# KiCad board MQ Breakout.kicad_pcb (continued)
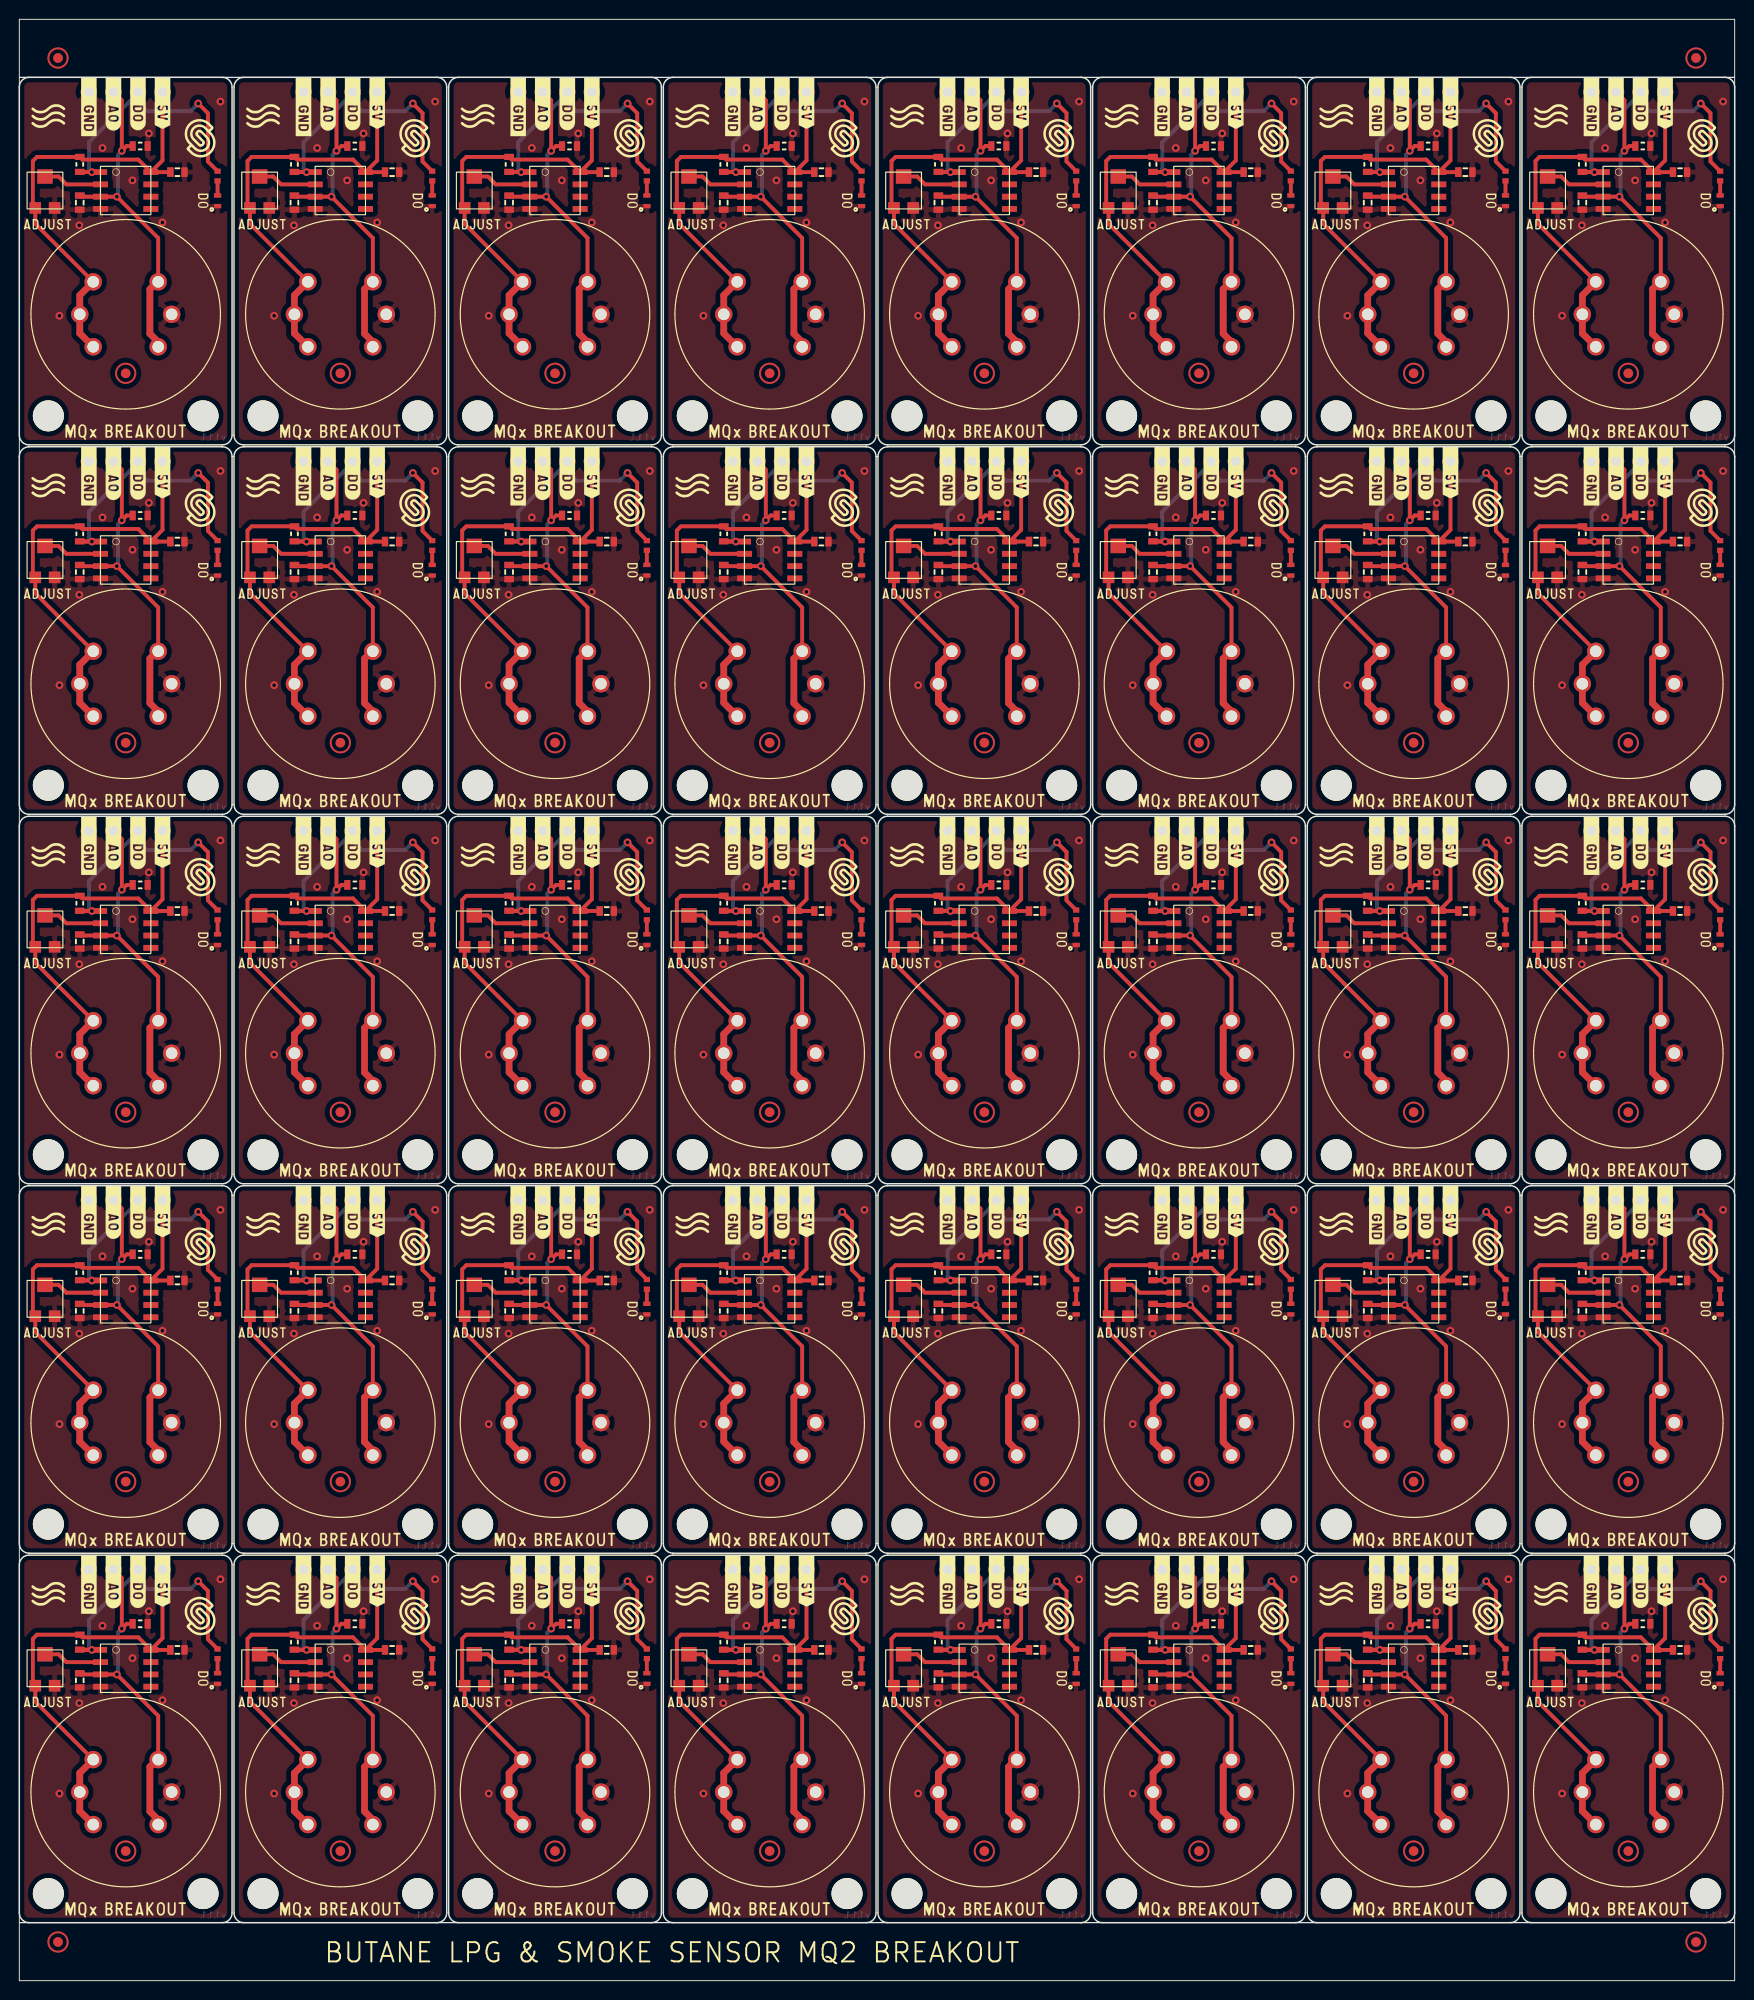
[diagram p0: board, top side]
## Placement (name value [footprint] x y rotation side) (continued)
K1#9  -  [HEADER_MALE_4X1]  122 42.5 0 bottom
K1#10  -  [HEADER_MALE_4X1]  33.2 157.1 0 bottom
K1#11  -  [HEADER_MALE_4X1]  99.8 157.1 0 bottom
K1#12  -  [HEADER_MALE_4X1]  11 195.3 0 bottom
K1#13  -  [HEADER_MALE_4X1]  122 195.3 0 bottom
K1#14  -  [HEADER_MALE_4X1]  77.6 157.1 0 bottom
K1#15  -  [HEADER_MALE_4X1]  77.6 80.7 0 bottom
K1#16  -  [HEADER_MALE_4X1]  55.4 118.9 0 bottom
K1#17  -  [HEADER_MALE_4X1]  33.2 42.5 0 bottom
K1#18  -  [HEADER_MALE_4X1]  77.6 195.3 0 bottom
K1#19  -  [HEADER_MALE_4X1]  122 157.1 0 bottom
K1#20  -  [HEADER_MALE_4X1]  144.2 80.7 0 bottom
K1#21  -  [HEADER_MALE_4X1]  55.4 42.5 0 bottom
K1#22  -  [HEADER_MALE_4X1]  11 118.9 0 bottom
K1#23  -  [HEADER_MALE_4X1]  55.4 80.7 0 bottom
K1#24  -  [HEADER_MALE_4X1]  11 80.7 0 bottom
K1#25  -  [HEADER_MALE_4X1]  122 80.7 0 bottom
K1#26  -  [HEADER_MALE_4X1]  166.4 195.3 0 bottom
K1#27  -  [HEADER_MALE_4X1]  166.4 118.9 0 bottom
K1#28  -  [HEADER_MALE_4X1]  99.8 195.3 0 bottom
K1#29  -  [HEADER_MALE_4X1]  144.2 157.1 0 bottom
K1#30  -  [HEADER_MALE_4X1]  166.4 42.5 0 bottom
K1#31  -  [HEADER_MALE_4X1]  33.2 118.9 0 bottom
K1#32  -  [HEADER_MALE_4X1]  144.2 195.3 0 bottom
K1#33  -  [HEADER_MALE_4X1]  11 42.5 0 bottom
K1#34  -  [HEADER_MALE_4X1]  166.4 157.1 0 bottom
K1#35  -  [HEADER_MALE_4X1]  99.8 118.9 0 bottom
K1#36  -  [HEADER_MALE_4X1]  33.2 80.7 0 bottom
K1#37  -  [HEADER_MALE_4X1]  77.6 118.9 0 bottom
K1#38  -  [HEADER_MALE_4X1]  122 118.9 0 bottom
K1#39  -  [HEADER_MALE_4X1]  99.8 42.5 0 bottom
K1#40  -  [HEADER_MALE_4X1]  77.6 42.5 0 bottom
NOREF  -  [buzzardLabel]  69.5 181.6 0 top
NOREF#2  -  [buzzardLabel]  77.6 7.4 0 top
NOREF#3  -  [buzzardLabel]  174.4 107.64 270 top
NOREF#4  -  [buzzardLabel]  76.33 197.2 270 top
NOREF#5  -  [buzzardLabel]  54.13 197.2 270 top
NOREF#6  -  [buzzardLabel]  148.01 44.4 270 top
NOREF#7  -  [buzzardLabel]  9.73 44.4 270 top
NOREF#8  -  [buzzardLabel]  122 122 0 top
NOREF#9  -  [buzzardLabel]  19 69.44 270 top
NOREF#10  -  [buzzardLabel]  120.73 159 270 top
NOREF#11  -  [buzzardLabel]  81.41 159 270 top
NOREF#12  -  [buzzardLabel]  103.61 197.2 270 top
NOREF#13  -  [buzzardLabel]  165.13 120.8 270 top
NOREF#14  -  [buzzardLabel]  19 145.84 270 top
NOREF#15  -  [buzzardLabel]  148.01 197.2 270 top
NOREF#16  -  [buzzardLabel]  118.19 82.6 270 top
NOREF#17  -  [buzzardLabel]  69.5 67 0 top
NOREF#18  -  [buzzardLabel]  174.4 31.24 270 top
NOREF#19  -  [buzzardLabel]  162.59 120.8 270 top
NOREF#20  -  [buzzardLabel]  56.67 44.4 270 top
NOREF#21  -  [buzzardLabel]  51.59 82.6 270 top
NOREF#22  -  [buzzardLabel]  152.2 31.24 270 top
NOREF#23  -  [buzzardLabel]  59.21 197.2 270 top
NOREF#24  -  [buzzardLabel]  162.59 82.6 270 top
NOREF#25  -  [buzzardLabel]  165.13 82.6 270 top
NOREF#26  -  [buzzardLabel]  166.4 122 0 top
NOREF#27  -  [buzzardLabel]  56.67 197.2 270 top
NOREF#28  -  [buzzardLabel]  158.3 105.2 0 top
NOREF#29  -  [buzzardLabel]  144.2 83.8 0 top
NOREF#30  -  [buzzardLabel]  120.73 120.8 270 top
NOREF#31  -  [buzzardLabel]  98.53 197.2 270 top
NOREF#32  -  [buzzardLabel]  73.79 44.4 270 top
NOREF#33  -  [buzzardLabel]  170.21 44.4 270 top
NOREF#34  -  [buzzardLabel]  11 7.4 0 top
NOREF#35  -  [buzzardLabel]  107.8 69.44 270 top
NOREF#36  -  [buzzardLabel]  56.67 82.6 270 top
NOREF#37  -  [buzzardLabel]  41.2 145.84 270 top
NOREF#38  -  [buzzardLabel]  98.53 44.4 270 top
NOREF#39  -  [buzzardLabel]  33.2 83.8 0 top
NOREF#40  -  [buzzardLabel]  158.3 67 0 top
NOREF#41  -  [buzzardLabel]  148.01 120.8 270 top
NOREF#42  -  [buzzardLabel]  101.07 82.6 270 top
NOREF#43  -  [buzzardLabel]  166.4 160.2 0 top
NOREF#44  -  [buzzardLabel]  170.21 82.6 270 top
NOREF#45  -  [buzzardLabel]  77.6 160.2 0 top
NOREF#46  -  [buzzardLabel]  152.2 184.04 270 top
NOREF#47  -  [buzzardLabel]  113.9 143.4 0 top
NOREF#48  -  [buzzardLabel]  34.47 44.4 270 top
NOREF#49  -  [buzzardLabel]  145.47 44.4 270 top
NOREF#50  -  [buzzardLabel]  14.81 44.4 270 top
NOREF#51  -  [buzzardLabel]  162.59 159 270 top
NOREF#52  -  [buzzardLabel]  51.59 120.8 270 top
NOREF#53  -  [buzzardLabel]  125.81 197.2 270 top
NOREF#54  -  [buzzardLabel]  59.21 120.8 270 top
NOREF#55  -  [buzzardLabel]  170.21 197.2 270 top
NOREF#56  -  [buzzardLabel]  25.1 143.4 0 top
NOREF#57  -  [buzzardLabel]  19 31.24 270 top
NOREF#58  -  [buzzardLabel]  130 31.24 270 top
NOREF#59  -  [buzzardLabel]  140.39 44.4 270 top
NOREF#60  -  [buzzardLabel]  95.99 159 270 top
NOREF#61  -  [buzzardLabel]  91.7 67 0 top
NOREF#62  -  [buzzardLabel]  12.27 82.6 270 top
NOREF#63  -  [buzzardLabel]  51.59 197.2 270 top
NOREF#64  -  [buzzardLabel]  33.2 7.4 0 top
NOREF#65  -  [buzzardLabel]  9.73 82.6 270 top
NOREF#66  -  [buzzardLabel]  73.79 82.6 270 top
NOREF#67  -  [buzzardLabel]  54.13 82.6 270 top
NOREF#68  -  [buzzardLabel]  165.13 197.2 270 top
NOREF#69  -  [buzzardLabel]  142.93 120.8 270 top
NOREF#70  -  [buzzardLabel]  63.4 31.24 270 top
NOREF#71  -  [buzzardLabel]  9.73 159 270 top
NOREF#72  -  [buzzardLabel]  9.73 120.8 270 top
NOREF#73  -  [buzzardLabel]  152.2 145.84 270 top
NOREF#74  -  [buzzardLabel]  55.4 7.4 0 top
NOREF#75  -  [buzzardLabel]  73.79 120.8 270 top
NOREF#76  -  [buzzardLabel]  12.27 44.4 270 top
NOREF#77  -  [buzzardLabel]  167.67 120.8 270 top
NOREF#78  -  [buzzardLabel]  19 107.64 270 top
NOREF#79  -  [buzzardLabel]  34.47 82.6 270 top
NOREF#80  -  [buzzardLabel]  122 83.8 0 top
NOREF#81  -  [buzzardLabel]  118.19 44.4 270 top
NOREF#82  -  [buzzardLabel]  63.4 107.64 270 top
NOREF#83  -  [buzzardLabel]  113.9 28.8 0 top
NOREF#84  -  [buzzardLabel]  12.27 120.8 270 top
NOREF#85  -  [buzzardLabel]  51.59 159 270 top
NOREF#86  -  [buzzardLabel]  54.13 120.8 270 top
NOREF#87  -  [buzzardLabel]  144.2 160.2 0 top
NOREF#88  -  [buzzardLabel]  136.1 28.8 0 top
NOREF#89  -  [buzzardLabel]  95.99 120.8 270 top
NOREF#90  -  [buzzardLabel]  101.07 120.8 270 top
NOREF#91  -  [buzzardLabel]  123.27 197.2 270 top
NOREF#92  -  [buzzardLabel]  95.99 44.4 270 top
NOREF#93  -  [buzzardLabel]  37.01 197.2 270 top
NOREF#94  -  [buzzardLabel]  29.39 197.2 270 top
NOREF#95  -  [buzzardLabel]  85.6 145.84 270 top
NOREF#96  -  [buzzardLabel]  140.39 159 270 top
NOREF#97  -  [buzzardLabel]  73.79 197.2 270 top
NOREF#98  -  [buzzardLabel]  144.2 7.4 0 top
NOREF#99  -  [buzzardLabel]  55.4 160.2 0 top
NOREF#100  -  [buzzardLabel]  167.67 159 270 top
NOREF#101  -  [buzzardLabel]  148.01 82.6 270 top
NOREF#102  -  [buzzardLabel]  165.13 44.4 270 top
NOREF#103  -  [buzzardLabel]  136.1 143.4 0 top
NOREF#104  -  [buzzardLabel]  29.39 159 270 top
NOREF#105  -  [buzzardLabel]  37.01 82.6 270 top
NOREF#106  -  [buzzardLabel]  31.93 197.2 270 top
NOREF#107  -  [buzzardLabel]  152.2 69.44 270 top
NOREF#108  -  [buzzardLabel]  136.1 105.2 0 top
NOREF#109  -  [buzzardLabel]  25.1 105.2 0 top
NOREF#110  -  [buzzardLabel]  103.61 159 270 top
NOREF#111  -  [buzzardLabel]  11 122 0 top
NOREF#112  -  [buzzardLabel]  123.27 44.4 270 top
NOREF#113  -  [buzzardLabel]  73.79 159 270 top
NOREF#114  -  [buzzardLabel]  47.3 67 0 top
NOREF#115  -  [buzzardLabel]  120.73 197.2 270 top
NOREF#116  -  [buzzardLabel]  34.47 197.2 270 top
NOREF#117  -  [buzzardLabel]  113.9 181.6 0 top
NOREF#118  -  [buzzardLabel]  130 184.04 270 top
NOREF#119  -  [buzzardLabel]  54.13 159 270 top
NOREF#120  -  [buzzardLabel]  103.61 120.8 270 top
NOREF#121  -  [buzzardLabel]  174.4 145.84 270 top
NOREF#122  -  [buzzardLabel]  167.67 44.4 270 top
NOREF#123  -  [buzzardLabel]  107.8 107.64 270 top
NOREF#124  -  [buzzardLabel]  103.61 44.4 270 top
NOREF#125  -  [buzzardLabel]  85.6 184.04 270 top
NOREF#126  -  [buzzardLabel]  54.13 44.4 270 top
NOREF#127  -  [buzzardLabel]  125.81 82.6 270 top
NOREF#128  -  [buzzardLabel]  9.73 197.2 270 top
NOREF#129  -  [buzzardLabel]  7.19 82.6 270 top
NOREF#130  -  [buzzardLabel]  99.8 122 0 top
NOREF#131  -  [buzzardLabel]  125.81 120.8 270 top
NOREF#132  -  [buzzardLabel]  166.4 7.4 0 top
NOREF#133  -  [buzzardLabel]  78.87 44.4 270 top
NOREF#134  -  [buzzardLabel]  95.99 197.2 270 top
NOREF#135  -  [buzzardLabel]  120.73 82.6 270 top
NOREF#136  -  [buzzardLabel]  91.7 28.8 0 top
NOREF#137  -  [buzzardLabel]  29.39 120.8 270 top
NOREF#138  -  [buzzardLabel]  130 69.44 270 top
NOREF#139  -  [buzzardLabel]  95.99 82.6 270 top
NOREF#140  -  [buzzardLabel]  55.4 83.8 0 top
NOREF#141  -  [buzzardLabel]  162.59 197.2 270 top
NOREF#142  -  [buzzardLabel]  76.33 44.4 270 top
NOREF#143  -  [buzzardLabel]  63.4 184.04 270 top
NOREF#144  -  [buzzardLabel]  56.67 159 270 top
NOREF#145  -  [buzzardLabel]  123.27 159 270 top
NOREF#146  -  [buzzardLabel]  56.67 120.8 270 top
NOREF#147  -  [buzzardLabel]  122 7.4 0 top
NOREF#148  -  [buzzardLabel]  41.2 31.24 270 top
NOREF#149  -  [buzzardLabel]  103.61 82.6 270 top
NOREF#150  -  [buzzardLabel]  31.93 120.8 270 top
NOREF#151  -  [buzzardLabel]  123.27 120.8 270 top
NOREF#152  -  [buzzardLabel]  130 107.64 270 top
NOREF#153  -  [buzzardLabel]  140.39 82.6 270 top
NOREF#154  -  [buzzardLabel]  77.6 83.8 0 top
NOREF#155  -  [buzzardLabel]  47.3 28.8 0 top
NOREF#156  -  [buzzardLabel]  63.4 145.84 270 top
NOREF#157  -  [buzzardLabel]  12.27 159 270 top
NOREF#158  -  [buzzardLabel]  14.81 82.6 270 top
NOREF#159  -  [buzzardLabel]  77.6 122 0 top
NOREF#160  -  [buzzardLabel]  14.81 197.2 270 top
NOREF#161  -  [buzzardLabel]  76.33 82.6 270 top
NOREF#162  -  [buzzardLabel]  81.41 82.6 270 top
NOREF#163  -  [buzzardLabel]  142.93 44.4 270 top
NOREF#164  -  [buzzardLabel]  107.8 145.84 270 top
NOREF#165  -  [buzzardLabel]  122 45.6 0 top
NOREF#166  -  [buzzardLabel]  167.67 82.6 270 top
NOREF#167  -  [buzzardLabel]  136.1 181.6 0 top
NOREF#168  -  [buzzardLabel]  85.6 69.44 270 top
NOREF#169  -  [buzzardLabel]  174.4 184.04 270 top
NOREF#170  -  [buzzardLabel]  142.93 197.2 270 top
NOREF#171  -  [buzzardLabel]  99.8 45.6 0 top
NOREF#172  -  [buzzardLabel]  148.01 159 270 top
NOREF#173  -  [buzzardLabel]  2.9 67 0 top
NOREF#174  -  [buzzardLabel]  25.1 67 0 top
NOREF#175  -  [buzzardLabel]  2.9 181.6 0 top
NOREF#176  -  [buzzardLabel]  125.81 44.4 270 top
NOREF#177  -  [buzzardLabel]  107.8 184.04 270 top
NOREF#178  -  [buzzardLabel]  51.59 44.4 270 top
NOREF#179  -  [buzzardLabel]  118.19 197.2 270 top
NOREF#180  -  [buzzardLabel]  145.47 120.8 270 top
NOREF#181  -  [buzzardLabel]  31.93 159 270 top
NOREF#182  -  [buzzardLabel]  76.33 159 270 top
NOREF#183  -  [buzzardLabel]  7.19 159 270 top
NOREF#184  -  [buzzardLabel]  29.39 82.6 270 top
NOREF#185  -  [buzzardLabel]  2.9 28.8 0 top
NOREF#186  -  [buzzardLabel]  59.21 44.4 270 top
NOREF#187  -  [buzzardLabel]  14.81 159 270 top
NOREF#188  -  [buzzardLabel]  122 160.2 0 top
NOREF#189  -  [buzzardLabel]  144.2 45.6 0 top
NOREF#190  -  [buzzardLabel]  130 145.84 270 top
NOREF#191  -  [buzzardLabel]  165.13 159 270 top
NOREF#192  -  [buzzardLabel]  11 45.6 0 top
NOREF#193  -  [buzzardLabel]  29.39 44.4 270 top
NOREF#194  -  [buzzardLabel]  37.01 159 270 top
NOREF#195  -  [buzzardLabel]  170.21 159 270 top
NOREF#196  -  [buzzardLabel]  98.53 82.6 270 top
NOREF#197  -  [buzzardLabel]  33.2 160.2 0 top
NOREF#198  -  [buzzardLabel]  7.19 120.8 270 top
NOREF#199  -  [buzzardLabel]  98.53 159 270 top
NOREF#200  -  [buzzardLabel]  14.81 120.8 270 top
NOREF#201  -  [buzzardLabel]  85.6 31.24 270 top
NOREF#202  -  [buzzardLabel]  123.27 82.6 270 top
NOREF#203  -  [buzzardLabel]  101.07 44.4 270 top
NOREF#204  -  [buzzardLabel]  174.4 69.44 270 top
NOREF#205  -  [buzzardLabel]  136.1 67 0 top
NOREF#206  -  [buzzardLabel]  55.4 45.6 0 top
NOREF#207  -  [buzzardLabel]  81.41 120.8 270 top
NOREF#208  -  [buzzardLabel]  125.81 159 270 top
NOREF#209  -  [buzzardLabel]  99.8 83.8 0 top
NOREF#210  -  [buzzardLabel]  69.5 143.4 0 top
NOREF#211  -  [buzzardLabel]  69.5 28.8 0 top
NOREF#212  -  [buzzardLabel]  113.9 67 0 top
NOREF#213  -  [buzzardLabel]  101.07 197.2 270 top
NOREF#214  -  [buzzardLabel]  118.19 159 270 top
NOREF#215  -  [buzzardLabel]  77.6 45.6 0 top
NOREF#216  -  [buzzardLabel]  33.2 122 0 top
NOREF#217  -  [buzzardLabel]  118.19 120.8 270 top
NOREF#218  -  [buzzardLabel]  55.4 122 0 top
NOREF#219  -  [buzzardLabel]  81.41 197.2 270 top
NOREF#220  -  [buzzardLabel]  142.93 82.6 270 top
NOREF#221  -  [buzzardLabel]  2.9 105.2 0 top
NOREF#222  -  [buzzardLabel]  91.7 181.6 0 top
NOREF#223  -  [buzzardLabel]  7.19 197.2 270 top
NOREF#224  -  [buzzardLabel]  78.87 82.6 270 top
NOREF#225  -  [buzzardLabel]  31.93 44.4 270 top
NOREF#226  -  [buzzardLabel]  41.2 184.04 270 top
NOREF#227  -  [buzzardLabel]  107.8 31.24 270 top
NOREF#228  -  [buzzardLabel]  162.59 44.4 270 top
NOREF#229  -  [buzzardLabel]  113.9 105.2 0 top
NOREF#230  -  [buzzardLabel]  11 83.8 0 top
NOREF#231  -  [buzzardLabel]  158.3 181.6 0 top
NOREF#232  -  [buzzardLabel]  101.07 159 270 top
NOREF#233  -  [buzzardLabel]  59.21 159 270 top
NOREF#234  -  [buzzardLabel]  158.3 143.4 0 top
NOREF#235  -  [buzzardLabel]  2.9 143.4 0 top
NOREF#236  -  [buzzardLabel]  167.67 197.2 270 top
NOREF#237  -  [buzzardLabel]  78.87 159 270 top
NOREF#238  -  [buzzardLabel]  91.7 143.4 0 top
NOREF#239  -  [buzzardLabel]  25.1 181.6 0 top
NOREF#240  -  [buzzardLabel]  98.53 120.8 270 top
NOREF#241  -  [buzzardLabel]  81.41 44.4 270 top
NOREF#242  -  [buzzardLabel]  59.21 82.6 270 top
NOREF#243  -  [buzzardLabel]  140.39 197.2 270 top
NOREF#244  -  [buzzardLabel]  99.8 7.4 0 top
NOREF#245  -  [buzzardLabel]  120.73 44.4 270 top
NOREF#246  -  [buzzardLabel]  37.01 44.4 270 top
NOREF#247  -  [buzzardLabel]  47.3 143.4 0 top
NOREF#248  -  [buzzardLabel]  11 160.2 0 top
NOREF#249  -  [buzzardLabel]  34.47 159 270 top
NOREF#250  -  [buzzardLabel]  31.93 82.6 270 top
NOREF#251  -  [buzzardLabel]  47.3 105.2 0 top
NOREF#252  -  [buzzardLabel]  145.47 82.6 270 top
NOREF#253  -  [buzzardLabel]  41.2 107.64 270 top
NOREF#254  -  [buzzardLabel]  85.6 107.64 270 top
NOREF#255  -  [buzzardLabel]  33.2 45.6 0 top
NOREF#256  -  [buzzardLabel]  63.4 69.44 270 top
NOREF#257  -  [buzzardLabel]  78.87 120.8 270 top
NOREF#258  -  [buzzardLabel]  12.27 197.2 270 top
NOREF#259  -  [buzzardLabel]  37.01 120.8 270 top
NOREF#260  -  [buzzardLabel]  144.2 122 0 top
NOREF#261  -  [buzzardLabel]  170.21 120.8 270 top
NOREF#262  -  [buzzardLabel]  142.93 159 270 top
NOREF#263  -  [buzzardLabel]  145.47 159 270 top
NOREF#264  -  [buzzardLabel]  166.4 83.8 0 top
NOREF#265  -  [buzzardLabel]  41.2 69.44 270 top
NOREF#266  -  [buzzardLabel]  34.47 120.8 270 top
NOREF#267  -  [buzzardLabel]  76.33 120.8 270 top
NOREF#268  -  [buzzardLabel]  99.8 160.2 0 top
NOREF#269  -  [buzzardLabel]  158.3 28.8 0 top
NOREF#270  -  [buzzardLabel]  145.47 197.2 270 top
NOREF#271  -  [buzzardLabel]  140.39 120.8 270 top
NOREF#272  -  [buzzardLabel]  7.19 44.4 270 top
NOREF#273  -  [buzzardLabel]  152.2 107.64 270 top
NOREF#274  -  [buzzardLabel]  25.1 28.8 0 top
NOREF#275  -  [buzzardLabel]  78.87 197.2 270 top
NOREF#276  -  [buzzardLabel]  69.5 105.2 0 top
NOREF#277  -  [buzzardLabel]  19 184.04 270 top
NOREF#278  -  [buzzardLabel]  166.4 45.6 0 top
NOREF#279  -  [buzzardLabel]  47.3 181.6 0 top
NOREF#280  -  [buzzardLabel]  91.7 105.2 0 top
NOREF#281  -  [buzzardLabel]  15.7 66.2 180 bottom
NOREF#282  -  [buzzardLabel]  118.7 108.4 180 bottom
NOREF#283  -  [buzzardLabel]  37.9 26 180 bottom
NOREF#284  -  [buzzardLabel]  148.9 74.2 180 bottom
NOREF#285  -  [buzzardLabel]  82.3 144.6 180 bottom
NOREF#286  -  [buzzardLabel]  74.3 184.8 180 bottom
NOREF#287  -  [buzzardLabel]  82.3 72.2 180 bottom
NOREF#288  -  [buzzardLabel]  104.5 26 180 bottom
NOREF#289  -  [buzzardLabel]  15.7 192.8 180 bottom
NOREF#290  -  [buzzardLabel]  82.3 188.8 180 bottom
NOREF#291  -  [buzzardLabel]  60.1 190.8 180 bottom
NOREF#292  -  [buzzardLabel]  148.9 30 180 bottom
NOREF#293  -  [buzzardLabel]  140.9 108.4 180 bottom
NOREF#294  -  [buzzardLabel]  7.7 40 180 bottom
NOREF#295  -  [buzzardLabel]  126.7 72.2 180 bottom
NOREF#296  -  [buzzardLabel]  140.9 78.2 180 bottom
NOREF#297  -  [buzzardLabel]  171.1 108.4 180 bottom
NOREF#298  -  [buzzardLabel]  118.7 36 180 bottom
NOREF#299  -  [buzzardLabel]  140.9 38 180 bottom
NOREF#300  -  [buzzardLabel]  15.7 38 180 bottom
NOREF#301  -  [buzzardLabel]  148.9 40 180 bottom
NOREF#302  -  [buzzardLabel]  37.9 186.8 180 bottom
NOREF#303  -  [buzzardLabel]  74.3 34 180 bottom
NOREF#304  -  [buzzardLabel]  82.3 106.4 180 bottom
NOREF#305  -  [buzzardLabel]  126.7 68.2 180 bottom
NOREF#306  -  [buzzardLabel]  29.9 152.6 180 bottom
NOREF#307  -  [buzzardLabel]  74.3 144.6 180 bottom
NOREF#308  -  [buzzardLabel]  148.9 144.6 180 bottom
NOREF#309  -  [buzzardLabel]  15.7 148.6 180 bottom
NOREF#310  -  [buzzardLabel]  104.5 70.2 180 bottom
NOREF#311  -  [buzzardLabel]  7.7 32 180 bottom
NOREF#312  -  [buzzardLabel]  52.1 76.2 180 bottom
NOREF#313  -  [buzzardLabel]  118.7 30 180 bottom
NOREF#314  -  [buzzardLabel]  37.9 36 180 bottom
NOREF#315  -  [buzzardLabel]  96.5 190.8 180 bottom
NOREF#316  -  [buzzardLabel]  74.3 182.8 180 bottom
NOREF#317  -  [buzzardLabel]  148.9 68.2 180 bottom
NOREF#318  -  [buzzardLabel]  29.9 116.4 180 bottom
NOREF#319  -  [buzzardLabel]  126.7 104.4 180 bottom
NOREF#320  -  [buzzardLabel]  163.1 108.4 180 bottom
NOREF#321  -  [buzzardLabel]  29.9 40 180 bottom
NOREF#322  -  [buzzardLabel]  15.7 102.4 180 bottom
NOREF#323  -  [buzzardLabel]  60.1 74.2 180 bottom
NOREF#324  -  [buzzardLabel]  126.7 78.2 180 bottom
NOREF#325  -  [buzzardLabel]  96.5 76.2 180 bottom
NOREF#326  -  [buzzardLabel]  126.7 178.8 180 bottom
NOREF#327  -  [buzzardLabel]  7.7 70.2 180 bottom
NOREF#328  -  [buzzardLabel]  29.9 112.4 180 bottom
NOREF#329  -  [buzzardLabel]  171.1 78.2 180 bottom
NOREF#330  -  [buzzardLabel]  171.1 178.8 180 bottom
NOREF#331  -  [buzzardLabel]  104.5 178.8 180 bottom
NOREF#332  -  [buzzardLabel]  96.5 36 180 bottom
NOREF#333  -  [buzzardLabel]  148.9 32 180 bottom
NOREF#334  -  [buzzardLabel]  37.9 28 180 bottom
NOREF#335  -  [buzzardLabel]  7.7 150.6 180 bottom
NOREF#336  -  [buzzardLabel]  171.1 116.4 180 bottom
NOREF#337  -  [buzzardLabel]  52.1 30 180 bottom
NOREF#338  -  [buzzardLabel]  163.1 112.4 180 bottom
NOREF#339  -  [buzzardLabel]  163.1 30 180 bottom
NOREF#340  -  [buzzardLabel]  148.9 140.6 180 bottom
NOREF#341  -  [buzzardLabel]  118.7 72.2 180 bottom
NOREF#342  -  [buzzardLabel]  82.3 186.8 180 bottom
NOREF#343  -  [buzzardLabel]  148.9 78.2 180 bottom
NOREF#344  -  [buzzardLabel]  82.3 32 180 bottom
NOREF#345  -  [buzzardLabel]  52.1 112.4 180 bottom
NOREF#346  -  [buzzardLabel]  15.7 76.2 180 bottom
NOREF#347  -  [buzzardLabel]  82.3 70.2 180 bottom
NOREF#348  -  [buzzardLabel]  148.9 72.2 180 bottom
NOREF#349  -  [buzzardLabel]  29.9 184.8 180 bottom
NOREF#350  -  [buzzardLabel]  104.5 144.6 180 bottom
NOREF#351  -  [buzzardLabel]  7.7 154.6 180 bottom
NOREF#352  -  [buzzardLabel]  7.7 116.4 180 bottom
NOREF#353  -  [buzzardLabel]  60.1 140.6 180 bottom
NOREF#354  -  [buzzardLabel]  96.5 106.4 180 bottom
NOREF#355  -  [buzzardLabel]  104.5 104.4 180 bottom
NOREF#356  -  [buzzardLabel]  118.7 186.8 180 bottom
NOREF#357  -  [buzzardLabel]  118.7 74.2 180 bottom
NOREF#358  -  [buzzardLabel]  37.9 178.8 180 bottom
NOREF#359  -  [buzzardLabel]  60.1 186.8 180 bottom
NOREF#360  -  [buzzardLabel]  82.3 180.8 180 bottom
NOREF#361  -  [buzzardLabel]  163.1 116.4 180 bottom
NOREF#362  -  [buzzardLabel]  163.1 148.6 180 bottom
NOREF#363  -  [buzzardLabel]  29.9 36 180 bottom
NOREF#364  -  [buzzardLabel]  104.5 150.6 180 bottom
NOREF#365  -  [buzzardLabel]  60.1 68.2 180 bottom
NOREF#366  -  [buzzardLabel]  140.9 152.6 180 bottom
NOREF#367  -  [buzzardLabel]  29.9 110.4 180 bottom
NOREF#368  -  [buzzardLabel]  37.9 110.4 180 bottom
NOREF#369  -  [buzzardLabel]  37.9 106.4 180 bottom
NOREF#370  -  [buzzardLabel]  140.9 68.2 180 bottom
NOREF#371  -  [buzzardLabel]  7.7 152.6 180 bottom
NOREF#372  -  [buzzardLabel]  171.1 32 180 bottom
NOREF#373  -  [buzzardLabel]  7.7 78.2 180 bottom
NOREF#374  -  [buzzardLabel]  52.1 186.8 180 bottom
NOREF#375  -  [buzzardLabel]  60.1 70.2 180 bottom
NOREF#376  -  [buzzardLabel]  52.1 40 180 bottom
NOREF#377  -  [buzzardLabel]  163.1 190.8 180 bottom
NOREF#378  -  [buzzardLabel]  15.7 140.6 180 bottom
NOREF#379  -  [buzzardLabel]  37.9 72.2 180 bottom
NOREF#380  -  [buzzardLabel]  52.1 78.2 180 bottom
NOREF#381  -  [buzzardLabel]  104.5 28 180 bottom
NOREF#382  -  [buzzardLabel]  126.7 148.6 180 bottom
NOREF#383  -  [buzzardLabel]  163.1 150.6 180 bottom
NOREF#384  -  [buzzardLabel]  140.9 74.2 180 bottom
NOREF#385  -  [buzzardLabel]  52.1 150.6 180 bottom
NOREF#386  -  [buzzardLabel]  148.9 154.6 180 bottom
NOREF#387  -  [buzzardLabel]  7.7 108.4 180 bottom
NOREF#388  -  [buzzardLabel]  60.1 38 180 bottom
NOREF#389  -  [buzzardLabel]  118.7 112.4 180 bottom
NOREF#390  -  [buzzardLabel]  126.7 34 180 bottom
NOREF#391  -  [buzzardLabel]  60.1 72.2 180 bottom
NOREF#392  -  [buzzardLabel]  37.9 180.8 180 bottom
NOREF#393  -  [buzzardLabel]  37.9 112.4 180 bottom
NOREF#394  -  [buzzardLabel]  15.7 26 180 bottom
NOREF#395  -  [buzzardLabel]  15.7 188.8 180 bottom
NOREF#396  -  [buzzardLabel]  82.3 36 180 bottom
NOREF#397  -  [buzzardLabel]  163.1 72.2 180 bottom
NOREF#398  -  [buzzardLabel]  140.9 40 180 bottom
NOREF#399  -  [buzzardLabel]  74.3 188.8 180 bottom
NOREF#400  -  [buzzardLabel]  37.9 142.6 180 bottom
NOREF#401  -  [buzzardLabel]  74.3 108.4 180 bottom
NOREF#402  -  [buzzardLabel]  52.1 190.8 180 bottom
NOREF#403  -  [buzzardLabel]  126.7 110.4 180 bottom
NOREF#404  -  [buzzardLabel]  15.7 28 180 bottom
NOREF#405  -  [buzzardLabel]  96.5 30 180 bottom
NOREF#406  -  [buzzardLabel]  15.7 68.2 180 bottom
NOREF#407  -  [buzzardLabel]  96.5 34 180 bottom
NOREF#408  -  [buzzardLabel]  140.9 106.4 180 bottom
NOREF#409  -  [buzzardLabel]  96.5 148.6 180 bottom
NOREF#410  -  [buzzardLabel]  74.3 112.4 180 bottom
NOREF#411  -  [buzzardLabel]  7.7 190.8 180 bottom
NOREF#412  -  [buzzardLabel]  7.7 182.8 180 bottom
NOREF#413  -  [buzzardLabel]  96.5 186.8 180 bottom
NOREF#414  -  [buzzardLabel]  140.9 148.6 180 bottom
NOREF#415  -  [buzzardLabel]  118.7 150.6 180 bottom
NOREF#416  -  [buzzardLabel]  52.1 188.8 180 bottom
NOREF#417  -  [buzzardLabel]  37.9 116.4 180 bottom
NOREF#418  -  [buzzardLabel]  96.5 110.4 180 bottom
NOREF#419  -  [buzzardLabel]  60.1 40 180 bottom
NOREF#420  -  [buzzardLabel]  29.9 74.2 180 bottom
NOREF#421  -  [buzzardLabel]  29.9 70.2 180 bottom
NOREF#422  -  [buzzardLabel]  140.9 144.6 180 bottom
NOREF#423  -  [buzzardLabel]  37.9 38 180 bottom
NOREF#424  -  [buzzardLabel]  82.3 110.4 180 bottom
NOREF#425  -  [buzzardLabel]  104.5 106.4 180 bottom
NOREF#426  -  [buzzardLabel]  52.1 110.4 180 bottom
NOREF#427  -  [buzzardLabel]  163.1 74.2 180 bottom
NOREF#428  -  [buzzardLabel]  82.3 66.2 180 bottom
NOREF#429  -  [buzzardLabel]  29.9 106.4 180 bottom
NOREF#430  -  [buzzardLabel]  96.5 78.2 180 bottom
NOREF#431  -  [buzzardLabel]  29.9 38 180 bottom
NOREF#432  -  [buzzardLabel]  37.9 108.4 180 bottom
NOREF#433  -  [buzzardLabel]  37.9 154.6 180 bottom
NOREF#434  -  [buzzardLabel]  74.3 190.8 180 bottom
NOREF#435  -  [buzzardLabel]  7.7 110.4 180 bottom
NOREF#436  -  [buzzardLabel]  7.7 144.6 180 bottom
NOREF#437  -  [buzzardLabel]  104.5 112.4 180 bottom
NOREF#438  -  [buzzardLabel]  171.1 140.6 180 bottom
NOREF#439  -  [buzzardLabel]  148.9 150.6 180 bottom
NOREF#440  -  [buzzardLabel]  29.9 32 180 bottom
NOREF#441  -  [buzzardLabel]  96.5 74.2 180 bottom
NOREF#442  -  [buzzardLabel]  52.1 116.4 180 bottom
NOREF#443  -  [buzzardLabel]  118.7 144.6 180 bottom
NOREF#444  -  [buzzardLabel]  148.9 146.6 180 bottom
NOREF#445  -  [buzzardLabel]  171.1 188.8 180 bottom
NOREF#446  -  [buzzardLabel]  82.3 64.2 180 bottom
NOREF#447  -  [buzzardLabel]  37.9 70.2 180 bottom
NOREF#448  -  [buzzardLabel]  148.9 142.6 180 bottom
NOREF#449  -  [buzzardLabel]  163.1 146.6 180 bottom
NOREF#450  -  [buzzardLabel]  15.7 142.6 180 bottom
NOREF#451  -  [buzzardLabel]  60.1 66.2 180 bottom
NOREF#452  -  [buzzardLabel]  96.5 70.2 180 bottom
NOREF#453  -  [buzzardLabel]  126.7 30 180 bottom
NOREF#454  -  [buzzardLabel]  148.9 190.8 180 bottom
NOREF#455  -  [buzzardLabel]  126.7 182.8 180 bottom
NOREF#456  -  [buzzardLabel]  163.1 36 180 bottom
NOREF#457  -  [buzzardLabel]  15.7 74.2 180 bottom
NOREF#458  -  [buzzardLabel]  148.9 66.2 180 bottom
NOREF#459  -  [buzzardLabel]  126.7 186.8 180 bottom
NOREF#460  -  [buzzardLabel]  104.5 154.6 180 bottom
NOREF#461  -  [buzzardLabel]  171.1 28 180 bottom
NOREF#462  -  [buzzardLabel]  82.3 192.8 180 bottom
NOREF#463  -  [buzzardLabel]  104.5 74.2 180 bottom
NOREF#464  -  [buzzardLabel]  74.3 76.2 180 bottom
NOREF#465  -  [buzzardLabel]  60.1 154.6 180 bottom
NOREF#466  -  [buzzardLabel]  74.3 36 180 bottom
NOREF#467  -  [buzzardLabel]  104.5 66.2 180 bottom
NOREF#468  -  [buzzardLabel]  171.1 184.8 180 bottom
NOREF#469  -  [buzzardLabel]  7.7 184.8 180 bottom
NOREF#470  -  [buzzardLabel]  15.7 116.4 180 bottom
NOREF#471  -  [buzzardLabel]  52.1 192.8 180 bottom
NOREF#472  -  [buzzardLabel]  37.9 78.2 180 bottom
NOREF#473  -  [buzzardLabel]  15.7 186.8 180 bottom
NOREF#474  -  [buzzardLabel]  29.9 188.8 180 bottom
NOREF#475  -  [buzzardLabel]  104.5 148.6 180 bottom
NOREF#476  -  [buzzardLabel]  29.9 68.2 180 bottom
NOREF#477  -  [buzzardLabel]  171.1 154.6 180 bottom
NOREF#478  -  [buzzardLabel]  126.7 154.6 180 bottom
NOREF#479  -  [buzzardLabel]  118.7 192.8 180 bottom
NOREF#480  -  [buzzardLabel]  15.7 114.4 180 bottom
NOREF#481  -  [buzzardLabel]  126.7 66.2 180 bottom
NOREF#482  -  [buzzardLabel]  37.9 76.2 180 bottom
NOREF#483  -  [buzzardLabel]  148.9 178.8 180 bottom
NOREF#484  -  [buzzardLabel]  148.9 26 180 bottom
NOREF#485  -  [buzzardLabel]  118.7 40 180 bottom
NOREF#486  -  [buzzardLabel]  15.7 32 180 bottom
NOREF#487  -  [buzzardLabel]  52.1 148.6 180 bottom
NOREF#488  -  [buzzardLabel]  104.5 36 180 bottom
NOREF#489  -  [buzzardLabel]  29.9 114.4 180 bottom
NOREF#490  -  [buzzardLabel]  148.9 110.4 180 bottom
NOREF#491  -  [buzzardLabel]  163.1 32 180 bottom
NOREF#492  -  [buzzardLabel]  37.9 104.4 180 bottom
NOREF#493  -  [buzzardLabel]  60.1 26 180 bottom
NOREF#494  -  [buzzardLabel]  60.1 78.2 180 bottom
NOREF#495  -  [buzzardLabel]  29.9 182.8 180 bottom
NOREF#496  -  [buzzardLabel]  29.9 148.6 180 bottom
NOREF#497  -  [buzzardLabel]  60.1 64.2 180 bottom
NOREF#498  -  [buzzardLabel]  126.7 146.6 180 bottom
NOREF#499  -  [buzzardLabel]  140.9 192.8 180 bottom
NOREF#500  -  [buzzardLabel]  15.7 182.8 180 bottom
NOREF#501  -  [buzzardLabel]  52.1 114.4 180 bottom
NOREF#502  -  [buzzardLabel]  104.5 182.8 180 bottom
NOREF#503  -  [buzzardLabel]  118.7 184.8 180 bottom
NOREF#504  -  [buzzardLabel]  37.9 68.2 180 bottom
NOREF#505  -  [buzzardLabel]  171.1 72.2 180 bottom
NOREF#506  -  [buzzardLabel]  148.9 28 180 bottom
NOREF#507  -  [buzzardLabel]  37.9 188.8 180 bottom
NOREF#508  -  [buzzardLabel]  126.7 116.4 180 bottom
NOREF#509  -  [buzzardLabel]  140.9 190.8 180 bottom
NOREF#510  -  [buzzardLabel]  7.7 68.2 180 bottom
NOREF#511  -  [buzzardLabel]  15.7 146.6 180 bottom
NOREF#512  -  [buzzardLabel]  126.7 184.8 180 bottom
NOREF#513  -  [buzzardLabel]  96.5 40 180 bottom
NOREF#514  -  [buzzardLabel]  15.7 70.2 180 bottom
NOREF#515  -  [buzzardLabel]  52.1 152.6 180 bottom
NOREF#516  -  [buzzardLabel]  163.1 186.8 180 bottom
NOREF#517  -  [buzzardLabel]  52.1 70.2 180 bottom
NOREF#518  -  [buzzardLabel]  148.9 38 180 bottom
NOREF#519  -  [buzzardLabel]  140.9 150.6 180 bottom
NOREF#520  -  [buzzardLabel]  118.7 78.2 180 bottom
NOREF#521  -  [buzzardLabel]  60.1 76.2 180 bottom
NOREF#522  -  [buzzardLabel]  96.5 108.4 180 bottom
NOREF#523  -  [buzzardLabel]  118.7 182.8 180 bottom
NOREF#524  -  [buzzardLabel]  148.9 108.4 180 bottom
NOREF#525  -  [buzzardLabel]  60.1 116.4 180 bottom
NOREF#526  -  [buzzardLabel]  52.1 184.8 180 bottom
NOREF#527  -  [buzzardLabel]  7.7 148.6 180 bottom
NOREF#528  -  [buzzardLabel]  29.9 146.6 180 bottom
NOREF#529  -  [buzzardLabel]  148.9 112.4 180 bottom
NOREF#530  -  [buzzardLabel]  171.1 34 180 bottom
NOREF#531  -  [buzzardLabel]  104.5 102.4 180 bottom
NOREF#532  -  [buzzardLabel]  118.7 152.6 180 bottom
NOREF#533  -  [buzzardLabel]  126.7 108.4 180 bottom
NOREF#534  -  [buzzardLabel]  15.7 40 180 bottom
NOREF#535  -  [buzzardLabel]  52.1 72.2 180 bottom
NOREF#536  -  [buzzardLabel]  126.7 28 180 bottom
NOREF#537  -  [buzzardLabel]  60.1 30 180 bottom
NOREF#538  -  [buzzardLabel]  104.5 190.8 180 bottom
NOREF#539  -  [buzzardLabel]  74.3 74.2 180 bottom
NOREF#540  -  [buzzardLabel]  74.3 116.4 180 bottom
NOREF#541  -  [buzzardLabel]  171.1 182.8 180 bottom
NOREF#542  -  [buzzardLabel]  29.9 154.6 180 bottom
NOREF#543  -  [buzzardLabel]  104.5 110.4 180 bottom
NOREF#544  -  [buzzardLabel]  118.7 76.2 180 bottom
NOREF#545  -  [buzzardLabel]  104.5 188.8 180 bottom
NOREF#546  -  [buzzardLabel]  171.1 112.4 180 bottom
NOREF#547  -  [buzzardLabel]  52.1 144.6 180 bottom
NOREF#548  -  [buzzardLabel]  126.7 40 180 bottom
NOREF#549  -  [buzzardLabel]  96.5 116.4 180 bottom
NOREF#550  -  [buzzardLabel]  163.1 106.4 180 bottom
NOREF#551  -  [buzzardLabel]  126.7 188.8 180 bottom
NOREF#552  -  [buzzardLabel]  7.7 114.4 180 bottom
NOREF#553  -  [buzzardLabel]  29.9 192.8 180 bottom
NOREF#554  -  [buzzardLabel]  171.1 114.4 180 bottom
NOREF#555  -  [buzzardLabel]  126.7 152.6 180 bottom
NOREF#556  -  [buzzardLabel]  126.7 70.2 180 bottom
NOREF#557  -  [buzzardLabel]  52.1 106.4 180 bottom
NOREF#558  -  [buzzardLabel]  7.7 36 180 bottom
NOREF#559  -  [buzzardLabel]  15.7 190.8 180 bottom
NOREF#560  -  [buzzardLabel]  15.7 30 180 bottom
NOREF#561  -  [buzzardLabel]  74.3 186.8 180 bottom
NOREF#562  -  [buzzardLabel]  37.9 32 180 bottom
NOREF#563  -  [buzzardLabel]  118.7 190.8 180 bottom
NOREF#564  -  [buzzardLabel]  126.7 74.2 180 bottom
NOREF#565  -  [buzzardLabel]  148.9 188.8 180 bottom
NOREF#566  -  [buzzardLabel]  96.5 192.8 180 bottom
NOREF#567  -  [buzzardLabel]  82.3 190.8 180 bottom
NOREF#568  -  [buzzardLabel]  60.1 112.4 180 bottom
NOREF#569  -  [buzzardLabel]  74.3 30 180 bottom
NOREF#570  -  [buzzardLabel]  60.1 148.6 180 bottom
NOREF#571  -  [buzzardLabel]  37.9 114.4 180 bottom
NOREF#572  -  [buzzardLabel]  163.1 188.8 180 bottom
NOREF#573  -  [buzzardLabel]  148.9 104.4 180 bottom
NOREF#574  -  [buzzardLabel]  96.5 184.8 180 bottom
NOREF#575  -  [buzzardLabel]  171.1 70.2 180 bottom
NOREF#576  -  [buzzardLabel]  118.7 70.2 180 bottom
NOREF#577  -  [buzzardLabel]  52.1 74.2 180 bottom
NOREF#578  -  [buzzardLabel]  15.7 104.4 180 bottom
NOREF#579  -  [buzzardLabel]  29.9 190.8 180 bottom
NOREF#580  -  [buzzardLabel]  171.1 26 180 bottom
NOREF#581  -  [buzzardLabel]  82.3 140.6 180 bottom
NOREF#582  -  [buzzardLabel]  37.9 140.6 180 bottom
NOREF#583  -  [buzzardLabel]  74.3 106.4 180 bottom
NOREF#584  -  [buzzardLabel]  82.3 184.8 180 bottom
NOREF#585  -  [buzzardLabel]  140.9 184.8 180 bottom
NOREF#586  -  [buzzardLabel]  82.3 154.6 180 bottom
NOREF#587  -  [buzzardLabel]  52.1 38 180 bottom
NOREF#588  -  [buzzardLabel]  126.7 112.4 180 bottom
NOREF#589  -  [buzzardLabel]  74.3 154.6 180 bottom
NOREF#590  -  [buzzardLabel]  171.1 180.8 180 bottom
NOREF#591  -  [buzzardLabel]  163.1 78.2 180 bottom
NOREF#592  -  [buzzardLabel]  37.9 30 180 bottom
NOREF#593  -  [buzzardLabel]  60.1 32 180 bottom
NOREF#594  -  [buzzardLabel]  15.7 106.4 180 bottom
NOREF#595  -  [buzzardLabel]  104.5 142.6 180 bottom
NOREF#596  -  [buzzardLabel]  148.9 34 180 bottom
NOREF#597  -  [buzzardLabel]  148.9 76.2 180 bottom
NOREF#598  -  [buzzardLabel]  148.9 102.4 180 bottom
NOREF#599  -  [buzzardLabel]  104.5 76.2 180 bottom
NOREF#600  -  [buzzardLabel]  82.3 150.6 180 bottom
NOREF#601  -  [buzzardLabel]  163.1 192.8 180 bottom
NOREF#602  -  [buzzardLabel]  60.1 150.6 180 bottom
NOREF#603  -  [buzzardLabel]  29.9 72.2 180 bottom
NOREF#604  -  [buzzardLabel]  104.5 32 180 bottom
NOREF#605  -  [buzzardLabel]  163.1 114.4 180 bottom
